# Allegro board 6089-103-RevB_76.brd (continued)
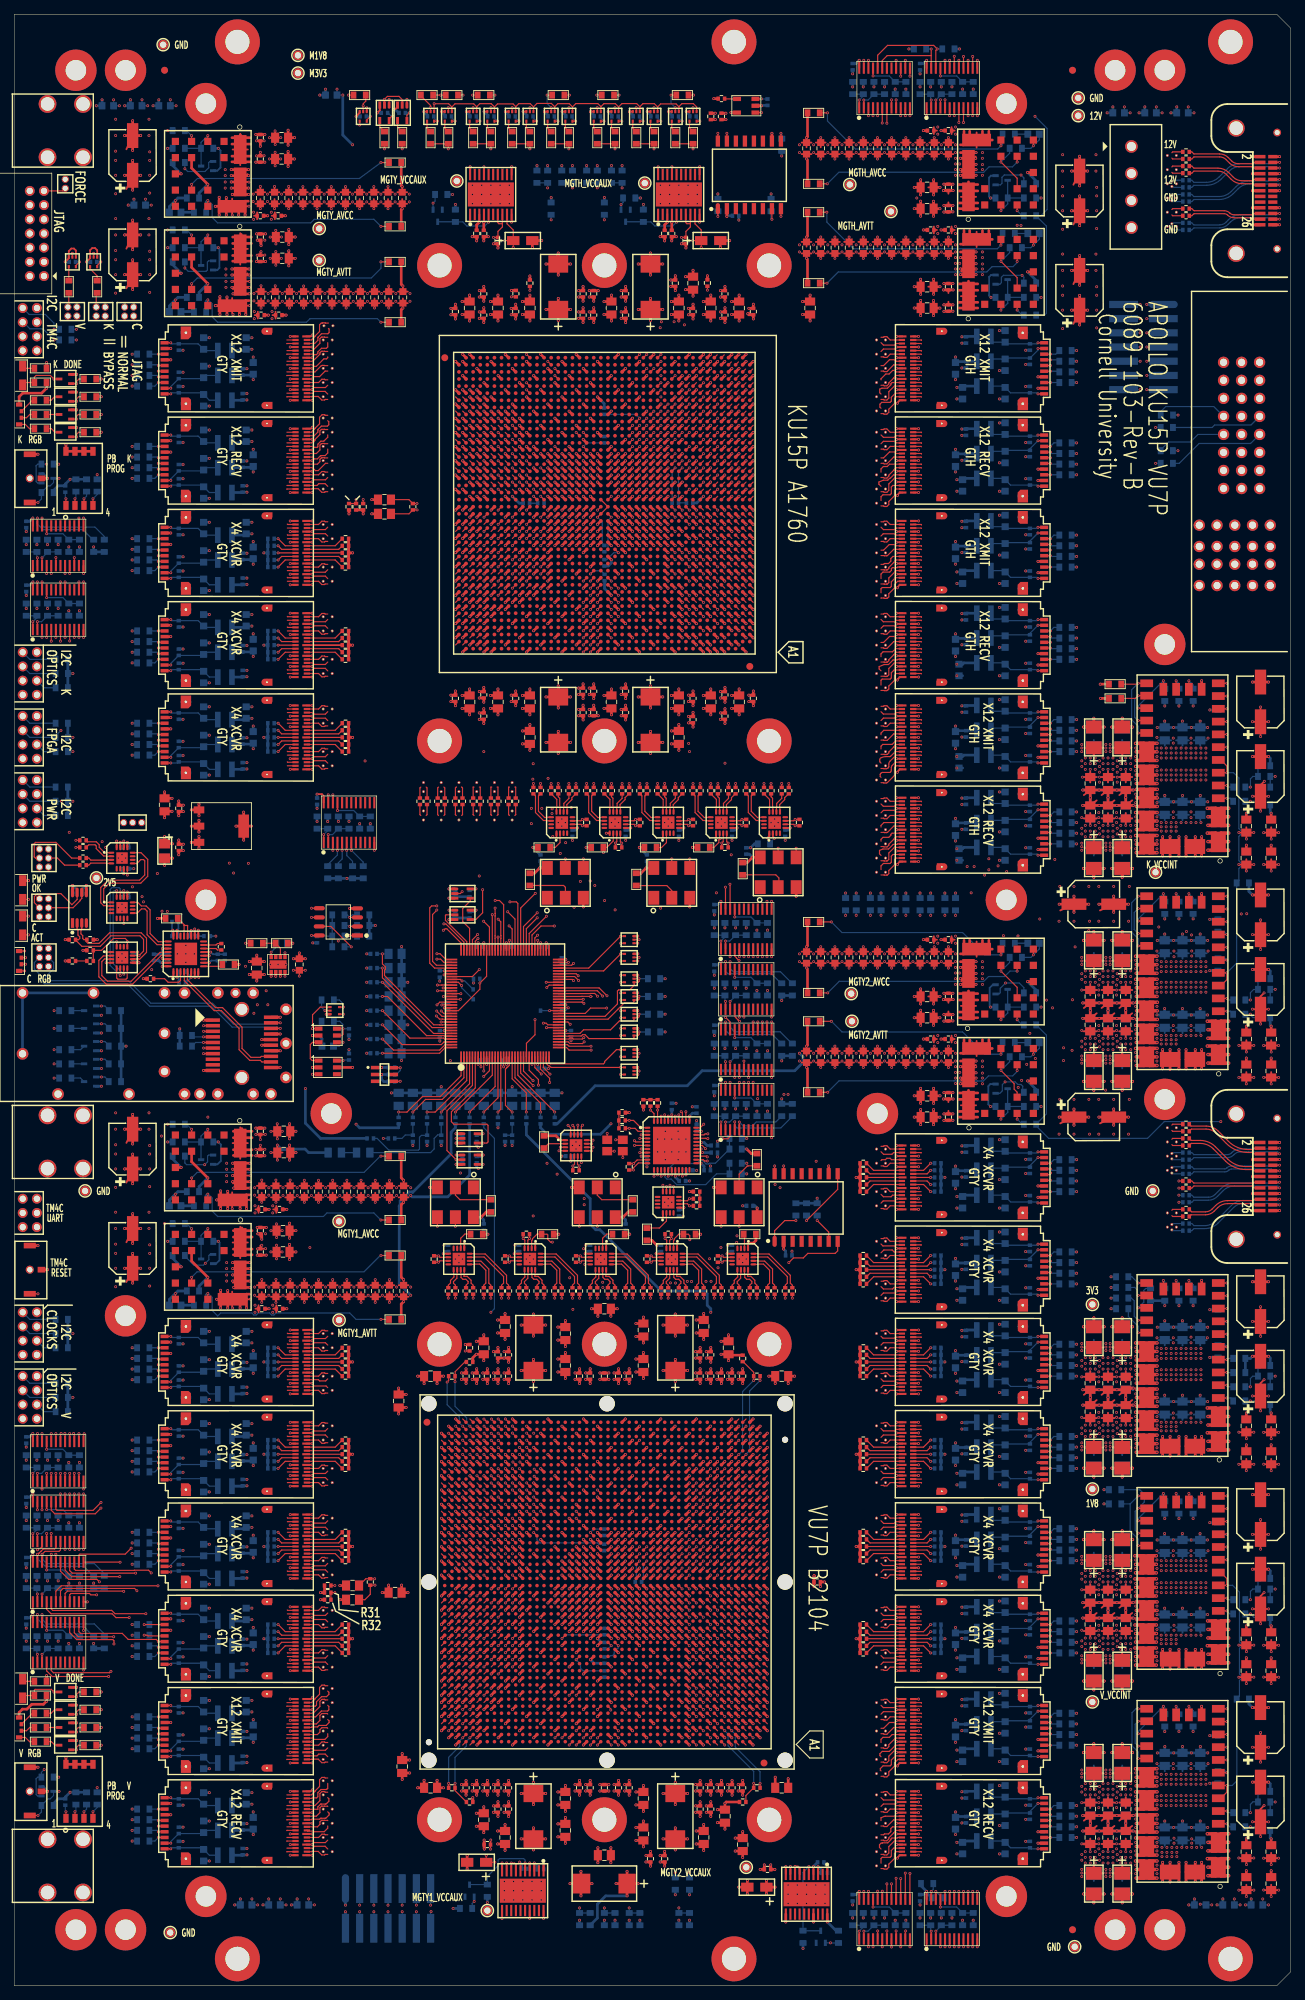
[diagram p0: board, top side]
## Routing (per net, layer and track width the routed paths; a pad name or vN(x,y) marks a point on that pad's centre or on a via; arc(x,y) is an arc through that point) (continued)
  TOP w0.381: U65.AR2 v1(103.17,222.87) ; U65.F37 v1(67.23,192.93) ; U66.BA39 v1(67.24,74.87) ; C373.2 v1(130.67,147.4) ; U65.Y11 v1(94.17,206.93) ; 37.52,142.85 v1(37.52,142.25) ; U66.W35 v1(71.23,51.94) ; v1(34.06,260.85) C16.2 v1(35.34,260.85) ; 134.5,141.1 134.5,141.9 ; 134.5,141.1 v1(133.4,141.1) ; 134.5,141.1 v1(135.6,141.1) ; 134.5,141.9 v1(135.6,141.9) ; 134.5,141.9 v1(133.4,141.9) ; 134.5,141.9 134.5,142.64 ; U76.3 v1(87.91,129.4) ; U65.G25 v1(79.23,193.93) ; U115.2 v1(144.33,46.1) ; U66.BD32 v1(74.23,77.86) ; U66.AG11 v1(96.16,60.87) ; U66.C5 v1(102.16,35.94) ; P3.1 v1(178.38,118.83) ; v1(135.6,242.64) 135,242.64 ; 152.2,156.16 v1(152.2,156.2) C394.2 ; U65.T22 v1(82.23,202.93) ; U66.U38 v1(68.23,49.93) ; U21.2 v1(22.07,217.7) ; C414.2 v1(155.45,21.81) C434.2 ; C414.2 v1(152.96,21.81) C392.2 ; C414.2 v1(154.2,22.91) C413.2 ; U66.AA2 v1(105.15,53.95) ; 157.66,72.94 v1(157.65,72.94) C420.2 ; U65.C5 v1(100.17,189.93) ; U65.N38 v1(66.23,199.93) ; U65.U1 v1(104.17,203.93) ; U66.N12 v1(95.17,45.95) ; v1(157.75,84.22) 157.44,84.22 157.22,83.99 C429.2 ; U65.D38 v1(66.23,190.93) ; U65.AY34 v1(70.23,227.87) ; U125.24 161.09,52.88 v1(161.1,52.88) ; U66.AH30 v1(76.23,61.86) ; U66.AR11 v1(96.16,68.87) ; U65.AJ26 v1(78.23,216.87) ; R178.1 R177.1 R176.1 ; R178.1 v1(118.69,74.9) ; R178.1 R179.1 R180.1 ; U65.D36 v1(68.23,190.93) ; v1(35.34,256.95) C17.2 v1(34.06,256.95) ; U65.A41 v1(63.23,187.93) ; C36.2 v1(38.23,249.4) ; U65.M11 v1(94.17,198.93) ; 134.5,256.64 U118.2 134.53,257.12 134.15,257.5 v1(133.4,257.5) ; 134.5,256.64 134.5,258.3 ; 134.5,256.64 134.5,255.9 ; U65.F40 v1(64.23,192.93) ; U66.L2 v1(105.15,43.94) ; C426.2 v1(156.7,167.41) C425.2 ; C426.2 v1(157.75,166.31) ; C426.2 v1(155.45,166.31) C406.2 ; C399.2 v1(153.65,92.86) 153.68,92.86 ; C399.2 v1(152.2,94.1) 152.2,94.12 ; C399.2 v1(150.75,92.86) 150.73,92.86 ; U65.U41 v1(63.23,203.93) ; U66.M46 v1(60.23,44.93) ; C397.2 v1(153.65,127.44) 153.67,127.44 ; C397.2 v1(152.2,126.2) 152.2,126.16 ; C397.2 v1(150.75,127.44) 150.75,127.44 ; U65.W41 v1(63.23,205.93) ; v1(84.56,27.45) C203.2 v1(85.2,26.87) ; U65.F32 v1(72.23,192.93) ; U66.AU2 v1(105.15,70.85) ; U65.M7 v1(98.17,198.93) ; U65.AP16 v1(89.17,221.87) ; R38.1 R39.1 R40.1 ; U66.V5 v1(102.16,50.92) ; v1(96.06,86.35) C254.2 v1(96.7,86.93) ; U45.3 v1(61.3,153.24) ; SW3.1 v1(3.35,30.8) ; C454.2 v1(173.7,76.22) ; C403.2 v1(150.75,32.86) 150.72,32.86 ; C403.2 v1(153.65,32.86) 153.67,32.86 ; C403.2 v1(152.2,34.1) 152.2,34.12 ; v1(84.2,179.08) C199.2 v1(83.15,179.99) ; 154.72,62.86 v1(154.75,62.86) C421.2 ; C272.2 v1(100.33,262.95) ; v1(174.57,153.7) C461.2 v1(176.83,153.7) ; U66.AE21 v1(86.15,58.86) ; U65.BB7 v1(98.17,229.87) ; U65.M38 v1(66.23,198.93) ; U65.W21 v1(84.17,205.93) ; C411.2 v1(152.94,53.99) C389.2 ; C411.2 v1(155.45,53.99) C431.2 ; C411.2 v1(154.2,52.91) C412.2 ; U66.D3 v1(104.16,36.93) ; U65.AR9 v1(96.17,222.87) ; U65.AF29 v1(75.23,213.87) ; U66.BA3 v1(104.16,74.87) ; U66.AE25 v1(81.24,58.86) ; R43.1 R44.1 R45.1 ; v1(35.53,102.95) C25.2 v1(34.27,102.95) ; 32.1,115.05 v1(33.25,115.05) ; 32.1,115.05 32.1,114.16 ; 32.1,115.05 32.1,115.9 ; 32.1,115.05 v1(30.8,115.05) ; 38.81,117.4 C47.2 v1(39.72,117.4) ; 38.81,117.4 v1(38.81,118.45) ; 38.81,117.4 v1(38.81,116.35) ; U65.BA42 v1(62.23,228.87) ; U66.AH20 v1(87.17,61.86) ; U65.AN23 v1(81.23,220.87) ; U65.C42 v1(62.23,189.93) ; U66.G12 v1(95.17,39.93) ; C393.2 v1(152.2,178.6) ; C393.2 v1(153.65,177.36) ; C393.2 v1(150.75,177.36) 150.74,177.36 ; v1(69.06,86.35) C143.2 v1(69.7,86.93) ; U66.J37 v1(69.25,41.93) ; U65.AL2 v1(103.17,218.87) ; R141.1 v1(97.73,240.93) ; U66.G1 v1(106.17,39.93) ; v1(22.25,167.31) C10.2 v1(21.2,168.22) ; U66.BA38 v1(68.23,74.87) ; v1(84.11,17.35) C195.2 v1(84.11,19.45) ; v1(82.56,27.45) C194.2 v1(83.83,27.45) ; U66.J2 v1(105.15,41.93) ; 32.1,112.4 v1(30.95,112.4) ; 32.1,112.4 32.1,113.3 ; 32.1,112.4 v1(33.25,112.4) ; C387.2 v1(150.65,83.99) ; C387.2 v1(152.94,83.99) C409.2 ; C387.2 v1(151.7,82.89) C388.2 ; U66.T3 v1(104.16,48.94) ; U66.M42 v1(64.24,44.93) ; C15.2 v1(35.25,144.31) ; C15.2 v1(34.2,145.22) ; C15.2 v1(33.15,144.31) ; v1(87.65,93.31) C218.2 v1(88.7,94.22) ; R163.1 R164.1 R165.1 ; R163.1 v1(118.69,113.9) ; R163.1 R162.1 R161.1 ; U65.U42 v1(62.23,203.93) ; v1(68.2,89.93) C133.2 v1(67.56,89.35) ; U66.BB8 v1(99.16,75.86) ; C349.2 v1(127.79,254.45) ; C349.2 v1(126.88,253.4) ; C349.2 v1(127.79,252.35) ; C156.2 v1(74.93,93.1) ; C156.2 v1(73.2,91.55) ; C156.2 73.2,94.61 73.19,94.61 v1(73.19,94.65) ; C156.2 v1(71.47,93.1) ; C420.2 v1(156.2,71.7) 156.2,71.66 ; C420.2 v1(154.75,72.94) 154.72,72.94 ; U66.AT46 v1(60.23,69.86) ; U66.E29 v1(77.22,37.94) ; U66.T24 v1(82.23,48.94) ; 153.68,72.94 v1(153.65,72.94) C400.2 ; v1(33.22,115.9) 32.1,115.9 ; 32.1,115.9 v1(30.8,115.9) ; 154.75,42.94 v1(154.75,42.94) C422.2 ; U65.Y4 v1(101.17,206.93) ; U65.BB3 v1(102.17,229.87) ; C476.2 v1(177.2,46.22) ; v1(33.22,101.9) 32.1,101.9 ; 32.1,101.9 v1(30.8,101.9) ; 32.1,101.9 32.1,101.05 ; U66.H46 v1(60.23,40.94) ; v1(95.7,180.37) C247.2 v1(95.06,180.95) ; U66.AG42 v1(64.24,60.87) ; U66.AY41 v1(65.23,73.87) ; U88.3 v1(98.58,112.5) ; v1(135.6,142.64) 135,142.64 ; v1(35.34,120.85) C22.2 v1(34.06,120.85) ; U65.AN9 v1(96.17,220.87) ; C425.2 v1(155.45,168.49) C405.2 ; C425.2 v1(157.75,168.49) ; v1(100.7,91.72) C282.2 v1(99.65,90.81) ; U66.AF36 v1(70.24,59.85) ; U65.AK39 v1(65.23,217.87) ; R188.1 R187.1 R186.1 ; R188.1 R189.1 R190.1 ; R188.1 v1(118.69,48.9) ; U65.BB4 v1(101.17,229.87) ; U66.A41 v1(65.23,33.93) ; U66.M37 v1(69.25,44.93) ; C307.2 v1(109.11,29.17) ; U66.F8 v1(99.16,38.93) ; U66.J10 v1(97.15,41.93) ; U65.AT12 v1(93.17,223.87) ; C164.2 v1(74.97,175.2) ; C164.2 v1(78.43,175.2) ; C164.2 v1(76.7,173.65) ; C164.2 v1(76.7,176.75) ; U65.K11 v1(94.17,196.93) ; U66.AC17 v1(90.17,55.93) ; v1(131.06,235.93) 131.68,235.93 C372.2 v1(132.34,235.95) ; U65.R42 v1(62.23,201.93) ; C429.2 v1(156.7,82.92) C430.2 ; C429.2 v1(155.45,83.99) C409.2 ; v1(93.33,246.45) C233.2 v1(92.7,245.87) ; U65.V29 v1(75.23,204.93) ; U65.AH11 v1(94.17,215.87) ; U66.AR44 v1(62.24,68.87) ; v1(86.06,86.35) C212.2 v1(86.7,86.93) ; U19.4 v1(32.35,161.43) ; U19.4 v1(31.27,163.4) ; U19.4 v1(33.43,163.4) ; U19.4 v1(32.35,165.37) ; C352.2 v1(127.79,237.45) ; C352.2 v1(127.79,235.35) ; C352.2 v1(126.88,236.4) ; U65.AR24 v1(80.23,222.87) ; U65.U2 v1(103.17,203.93) ; v1(90.59,104.35) 89.91,105.04 R126.2 ; C356.2 v1(126.88,122.4) ; C356.2 v1(127.79,123.45) ; C356.2 v1(127.79,121.35) ; U66.AT16 v1(91.16,69.86) ; U66.AB45 v1(61.25,54.94) ; 156.2,126.17 v1(156.2,126.2) C418.2 ; U65.AK14 v1(91.17,217.87) ; v1(68.2,238.22) C130.2 v1(67.15,237.31) ; U65.AR41 v1(63.23,222.87) ; U65.W27 v1(77.23,205.93) ; U66.AT3 v1(104.16,69.86) ; C395.2 v1(155,153.53) ; C395.2 v1(152.92,152.4) ; C395.2 v1(155,151.27) ; C395.2 v1(157.08,152.4) ; U66.BD22 v1(85.16,77.86) ; U66.AD35 v1(71.23,57.87) ; 32,240.16 32,241.05 ; 32,240.16 32,239.3 ; 32,240.16 U16.2 v1(30.7,240.16) ; 32,241.05 v1(30.7,241.05) ; 32,241.05 32,241.9 ; 32,241.05 v1(33.15,241.05) ; U65.T26 v1(78.23,202.93) ; U66.Y45 v1(61.25,52.93) ; v1(82.33,238.85) C185.2 v1(81.06,238.85) ; U65.AK7 v1(98.17,217.87) ; U66.BC25 v1(81.24,76.87) ; 164.2,130.53 v1(164.2,129.2) ; 164.2,130.53 v1(164.2,131.9) ; 164.2,130.53 U123.27 ; U65.K7 v1(98.17,196.93) ; U65.B4 v1(101.17,188.93) ; C410.2 v1(152.96,81.81) C388.2 ; C410.2 v1(154.2,82.91) C409.2 ; C410.2 v1(155.45,81.81) C430.2 ; SW4.5 SW4.7 7.29,216.21 v1(7.29,217.15) ; v1(65.56,238.85) C117.2 v1(66.2,239.43) ; U66.U27 v1(79.23,49.93) ; v1(133.4,241.1) 134.5,241.1 ; 134.5,241.1 134.5,241.9 ; 134.5,241.1 v1(135.6,241.1) ; U66.AC44 v1(62.24,55.93) ; U65.AE2 v1(103.17,212.87) ; U66.AD9 v1(98.17,57.87) ; 78.7,65.41 v1(78.24,65.87) ; U65.AU2 v1(103.17,224.87) ; U66.V30 v1(76.23,50.92) ; 32.1,114.16 32.1,113.3 ; 32.1,114.16 U17.2 v1(30.8,114.16) ; U65.M40 v1(64.23,198.93) ; v1(96.06,89.35) C253.2 v1(96.7,89.93) ; U66.W2 v1(105.15,51.94) ; v1(30.6,253.3) 31.9,253.3 ; 31.9,253.3 v1(33.05,253.3) ; 31.9,253.3 31.9,254.16 ; 31.9,253.3 31.9,252.4 ; U26.2 v1(22.07,77.7) ; U66.BB2 v1(105.15,75.86) ; U65.R24 v1(80.23,201.93) ; U65.T14 v1(91.17,202.93) ; U66.G23 v1(84.17,39.93) ; C355.2 v1(127.79,126.45) ; C355.2 v1(127.79,124.35) ; C355.2 v1(126.88,125.4) ; U65.N5 v1(100.17,199.93) ; 32.1,100.16 32.1,101.05 ; 32.1,100.16 U18.2 v1(30.8,100.16) ; 32.1,100.16 32.1,99.3 ; 32.1,101.05 v1(30.8,101.05) ; 32.1,101.05 v1(33.25,101.05) ; U65.V4 v1(101.17,204.93) ; U65.AH20 v1(85.17,215.87) ; v1(89.7,16.87) C226.2 v1(89.06,17.45) ; U65.F38 v1(66.23,192.93) ; U65.G35 v1(69.23,193.93) ; U66.B5 v1(102.16,34.95) ; v1(102.06,86.35) C290.2 v1(102.7,86.93) ; U65.AM15 v1(90.17,219.87) ; U66.BE41 v1(65.23,78.85) ; v1(79.06,86.35) C175.2 v1(79.7,86.93) ; R22.1 v1(12.27,38.9) ; U66.K40 v1(66.23,42.95) ; v1(64.56,86.35) C112.2 v1(65.2,86.93) ; C389.2 v1(150.65,53.99) ; C389.2 v1(151.7,52.9) C390.2 ; U66.L39 v1(67.24,43.94) ; U65.AA40 v1(64.23,207.93) ; U65.L5 v1(100.17,197.93) ; v1(135.6,256.64) 135,256.64 ; 65.7,65.41 v1(65.23,65.87) ; U66.AV3 v1(104.16,71.87) ; U65.BB35 v1(69.23,229.87) ; U66.G45 v1(61.25,39.93) ; v1(54.9,113.5) 54.56,113.84 R77.2 ; U65.E11 v1(94.17,191.93) ; U66.AE43 v1(63.23,58.86) ; U65.AE9 v1(96.17,212.87) ; 134.5,255.1 v1(133.4,255.1) ; 134.5,255.1 v1(135.6,255.1) ; 134.5,255.1 134.5,255.9 ; v1(98.2,238.22) C262.2 v1(97.15,237.31) ; v1(81.7,181.37) C187.2 v1(81.06,181.95) ; U66.N10 v1(97.15,45.95) ; U66.K8 v1(99.16,42.95) ; 156.2,34.11 v1(156.2,34.1) C423.2 ; U66.V45 v1(61.25,50.92) ; R16.1 v1(12.27,221.4) ; U66.AW1 v1(106.17,72.86) ; C384.2 v1(151.7,167.4) C383.2 ; C384.2 v1(150.65,166.31) ; C384.2 v1(152.96,166.31) C406.2 ; C385.2 v1(150.65,138.49) ; C385.2 v1(151.7,137.4) C386.2 ; C385.2 v1(152.94,138.49) C407.2 ; U66.AV4 v1(103.17,71.87) ; U65.AK24 v1(80.23,217.87) ; C419.2 v1(154.75,92.86) 154.72,92.86 ; C419.2 v1(156.2,94.1) 156.2,94.12 ; C419.2 v1(157.65,92.86) 157.66,92.86 ; R118.1 v1(86.77,105.9) ; v1(62.2,236.93) C99.2 v1(61.56,236.35) ; U65.Y40 v1(64.23,206.93) ; C157.2 v1(71.47,20.7) ; C157.2 v1(74.93,20.7) ; C157.2 v1(73.2,19.15) ; C157.2 v1(73.2,22.25) ; U65.V35 v1(69.23,204.93) ; U65.AR14 v1(91.17,222.87) ; C260.2 v1(98.83,262.95) ; U65.K14 v1(91.17,196.93) ; U65.E42 v1(62.23,191.93) ; U65.AK35 v1(69.23,217.87) ; U66.AG35 v1(71.23,60.87) ; 156.2,64.14 v1(156.2,64.1) C421.2 ; U65.AA13 v1(92.17,207.93) ; U65.U25 v1(79.23,203.93) ; v1(133.4,127.1) 134.5,127.1 ; 134.5,127.1 134.5,127.9 ; 134.5,127.1 v1(135.6,127.1) ; U65.U29 v1(75.23,203.93) ; U66.AA6 v1(101.17,53.95) ; U66.AR5 v1(102.16,68.87) ; v1(91.7,16.87) C231.2 v1(91.06,17.45) ; U66.D44 v1(62.24,36.93) ; U113.4 v1(144.33,73.7) ; U66.AT9 v1(98.17,69.86) ; U114.4 v1(144.33,60.7) ; v1(176.83,99.2) C463.2 v1(174.57,99.2) ; U66.AT4 v1(103.17,69.86) ; v1(95.06,236.35) C246.2 v1(95.7,236.93) ; U66.AK16 v1(91.16,63.87) ; U66.AB4 v1(103.17,54.94) ; U65.AG42 v1(62.23,214.87) ; v1(86.7,26.87) C213.2 v1(86.06,27.45) ; C236.2 93.2,94.61 93.19,94.61 v1(93.19,94.65) ; C236.2 v1(93.2,91.55) ; C236.2 v1(94.93,93.1) ; C236.2 v1(91.47,93.1) ; P2.25 v1(178.38,248.12) ; U65.W42 v1(62.23,205.93) ; v1(66.2,21.58) C123.2 v1(65.15,22.49) ; U66.R35 v1(71.23,47.93) ; U66.D4 v1(103.17,36.93) ; v1(79.56,181.95) C179.2 v1(80.2,181.37) ; U122.13 v1(167.4,183.88) ; v1(69.06,27.45) C144.2 v1(69.7,26.87) ; v1(76.65,20.99) C170.2 v1(77.7,20.08) ; U66.AL35 v1(71.23,64.86) ; U65.AH14 v1(91.17,215.87) ; v1(97.2,94.72) C258.2 v1(96.15,93.81) ; v1(97.56,24.45) C268.2 v1(98.2,23.87) ; 161.9,130.53 v1(161.9,129.2) ; 161.9,130.53 v1(161.9,131.9) ; 161.9,130.53 U123.27 ; U66.U6 v1(101.17,49.93) ; U65.AG25 v1(79.23,214.87) ; U28.2 v1(22.07,51.7) ; U65.H38 v1(66.23,194.93) ; U66.BD12 v1(95.17,77.86) ; 150.75,72.94 v1(150.75,72.94) C400.2 ; v1(54.7,29.08) C86.2 v1(55.75,29.99) ; U66.T16 v1(91.16,48.94) ; U66.Y4 v1(103.17,52.93) ; U65.AE41 v1(63.23,212.87) ; C216.2 v1(88.7,123.4) ; U19.2 v1(26.05,164.23) ; U19.2 v1(26.05,162.57) ; U19.2 v1(24.97,163.4) ; v1(101.15,237.31) C287.2 v1(102.2,238.22) ; v1(87.65,20.49) C221.2 v1(88.7,19.58) ; U65.AH29 v1(75.23,215.87) ; U66.L21 v1(86.15,43.94) ; U66.M45 v1(61.25,44.93) ; U65.W5 v1(100.17,205.93) ; U65.AF14 v1(91.17,213.87) ; U65.P7 v1(98.17,200.93) ; U66.AW43 v1(63.23,72.86) ; C224.2 v1(89.7,176.75) ; C224.2 v1(89.7,173.65) ; C224.2 v1(87.97,175.2) ; C224.2 v1(91.43,175.2) ; U65.AC1 v1(104.17,210.87) ; v1(104.2,236.93) C295.2 v1(103.56,236.35) ; C458.2 v1(173.7,16.22) ; v1(72.7,174.08) C154.2 v1(71.65,174.99) ; v1(63.85,16.43) C114.2 v1(63.85,18.37) ; U66.M18 v1(89.18,44.93) ; U66.U44 v1(62.24,49.93) ; v1(54.9,99.5) 54.56,99.84 R79.2 ; v1(100.2,177.87) C279.2 v1(99.56,178.45) ; v1(73.05,244.93) C150.2 v1(74.36,245.9) ; v1(66.2,180.87) C119.2 v1(65.56,181.45) ; U65.AP39 v1(65.23,221.87) ; U65.AA27 v1(77.23,207.93) ; U66.L5 v1(102.16,43.94) ; U66.AU1 v1(106.17,70.85) ; U66.AB5 v1(102.16,54.94) ; v1(70.7,236.93) C146.2 v1(70.06,236.35) ; U65.AY9 v1(96.17,227.87) ; U65.R33 v1(71.23,201.93) ; U66.AW44 v1(62.24,72.86) ; U66.AR39 v1(67.24,68.87) ; U66.AF28 v1(78.24,59.85) ; U65.AN41 v1(63.23,220.87) ; U65.AF39 v1(65.23,213.87) ; v1(95.7,241.72) C245.2 v1(94.65,240.81) ; U115.4 v1(144.33,47.7) ; U66.AB14 v1(93.16,54.94) ; U65.W37 v1(67.23,205.93) ; C415.2 v1(156.2,178.6) 156.2,178.62 ; C415.2 v1(157.65,177.36) ; C415.2 v1(154.75,177.36) 154.71,177.36 ; U65.U19 v1(86.17,203.93) ; v1(135.55,243.5) 134.45,243.5 ; 150.74,157.44 v1(150.75,157.44) C394.2 ; U65.AM25 v1(79.23,219.87) ; U65.L9 v1(96.17,197.93) ; v1(30.6,254.16) U15.2 31.9,254.16 ; U66.AT37 v1(69.25,69.86) ; R183.1 R184.1 R185.1 ; R183.1 R182.1 R181.1 ; R183.1 v1(118.69,61.9) ; C163.2 v1(78.43,242.6) ; C163.2 v1(76.7,241.05) ; C163.2 76.7,244.1 76.69,244.11 v1(76.69,244.15) ; C163.2 v1(74.97,242.6) ; U65.AF24 v1(80.23,213.87) ; U125.13 v1(167.4,69.38) ; U66.AJ43 v1(63.23,62.88) ; U66.A6 v1(101.17,33.93) ; U66.AA38 v1(68.23,53.95) ; U65.R9 v1(96.17,201.93) ; C9.2 v1(18.2,141.9) ; 134.5,244.3 134.5,242.64 ; 134.5,244.3 v1(135.6,244.3) ; 134.5,244.3 133.4,244.3 ; 134.5,242.64 134.5,241.9 ; 134.5,242.64 U119.2 134.53,243.12 134.15,243.5 v1(133.4,243.5) ; 134.5,241.9 v1(133.4,241.9) ; 134.5,241.9 v1(135.6,241.9) ; U66.AB37 v1(69.25,54.94) ; C412.2 v1(155.45,51.81) C432.2 ; C412.2 v1(152.96,51.81) C390.2 ; U65.AE23 v1(81.23,212.87) ; U47.3 v1(62.3,118.74) ; U66.Y5 v1(102.16,52.93) ; C223.2 89.7,244.1 89.69,244.11 v1(89.69,244.15) ; C223.2 v1(91.43,242.6) ; C223.2 v1(87.97,242.6) ; C223.2 v1(89.7,241.05) ; U66.BA6 v1(101.17,74.87) ; U65.AC37 v1(67.23,210.87) ; U18.15 v1(23.54,101.3) ; U66.AD24 v1(82.23,57.87) ; U66.AY9 v1(98.17,73.87) ; v1(86.2,236.43) C207.2 v1(85.56,235.85) ; U66.Y16 v1(91.16,52.93) ; 157.68,127.44 v1(157.65,127.44) C418.2 ; U66.BB41 v1(65.23,75.86) ; U65.AU15 v1(90.17,224.87) ; U65.E1 v1(104.17,191.93) ; R93.1 v1(66.77,105.9) ; U66.V22 v1(85.16,50.92) ; U65.Y35 v1(69.23,206.93) ; U65.AJ37 v1(67.23,216.87) ; U66.BC3 v1(104.16,76.87) ; U66.AV37 v1(69.25,71.87) ; U65.T39 v1(65.23,202.93) ; v1(43.19,55.4) R31.1 R30.1 ; 31.9,255.05 31.9,254.16 ; 31.9,255.05 v1(30.6,255.05) ; 31.9,255.05 v1(33.05,255.05) ; 31.9,255.05 31.9,255.9 ; U65.Y20 v1(85.17,206.93) ; U66.R42 v1(64.24,47.93) ; v1(65.2,26.87) C113.2 v1(64.56,27.45) ; U66.AU43 v1(63.23,70.85) ; U65.Y16 v1(89.17,206.93) ; U65.C11 v1(94.17,189.93) ; U66.G46 v1(60.23,39.93) ; U65.AL37 v1(67.23,218.87) ; U66.AC19 v1(88.16,55.93) ; 134.5,128.64 U121.2 134.53,129.12 134.15,129.5 v1(133.4,129.5) ; 134.5,128.64 134.5,127.9 ; 134.5,128.64 134.5,130.3 ; U65.R29 v1(75.23,201.93) ; U65.AY3 v1(102.17,227.87) ; U65.AC33 v1(71.23,210.87) ; C477.2 v1(177.2,20.72) ; C424.2 v1(156.2,11.7) 156.2,11.68 ; C424.2 v1(154.75,12.94) 154.73,12.94 ; C424.2 v1(157.65,12.94) 157.66,12.94 ; U65.M29 v1(75.23,198.93) ; U65.AV18 v1(87.17,225.87) ; v1(97.2,19.08) C259.2 v1(96.15,19.99) ; U66.L31 v1(75.24,43.94) ; v1(97.15,179.99) C263.2 v1(98.2,179.08) ; U66.B18 v1(89.18,34.95) ; U65.BA5 v1(100.17,228.87) ; U65.AW5 v1(100.17,226.87) ; U65.BB25 v1(79.23,229.87) ; 157.71,62.86 v1(157.65,62.86) C421.2 ; U66.AL44 v1(62.24,64.86) ; U66.Y24 v1(82.23,52.93) ; U65.M25 v1(79.23,198.93) ; U66.P3 v1(104.16,46.94) ; U65.AC2 v1(103.17,210.87) ; U13.1 v1(26.69,136.06) ; C400.2 v1(152.2,71.7) 152.2,71.67 ; v1(174.57,39.2) C467.2 v1(176.83,39.2) ; P3.19 v1(178.38,111.62) ; U65.AF20 v1(85.17,213.87) ; C402.2 v1(153.65,42.94) 153.67,42.94 ; C402.2 v1(152.2,41.7) 152.2,41.67 ; C402.2 v1(150.75,42.94) 150.73,42.94 ; U66.AL42 v1(64.24,64.86) ; U109.2 v1(144.33,160.1) ; U66.B38 v1(68.23,34.95) ; C359.2 v1(128.17,147.4) ; v1(112.2,238.22) C315.2 v1(111.15,237.31) ; U66.AE38 v1(68.23,58.86) ; R89.1 v1(63.59,90.35) ; R106.2 v1(76.77,105.9) ; U65.C38 v1(66.23,189.93) ; U66.L12 v1(95.17,43.94) ; v1(33.25,113.3) 32.1,113.3 ; 32.1,113.3 v1(30.8,113.3) ; U66.W23 v1(84.17,51.94) ; U65.P31 v1(73.23,200.93) ; U66.V14 v1(93.16,50.92) ; U66.AA29 v1(77.22,53.95) ; U65.AC42 v1(62.23,210.87) ; U65.V16 v1(89.17,204.93) ; U65.D26 v1(78.23,190.93) ; U66.G7 v1(100.17,39.93) ; P3.20 v1(174.58,111.62) ; C433.2 v1(157.75,23.99) ; C433.2 v1(156.7,22.91) C434.2 ; C433.2 v1(155.45,23.99) C413.2 ; U66.C11 v1(96.16,35.94) ; U65.BA1 v1(104.17,228.87) ; v1(94.7,244.87) C243.2 v1(94.06,245.45) ; U24.2 v1(22.07,178.7) ; U66.E46 v1(60.23,37.94) ; U65.AG2 v1(103.17,214.87) ; v1(133.4,127.9) 134.5,127.9 ; 134.5,127.9 v1(135.6,127.9) ; C398.2 v1(155,123.53) ; C398.2 v1(157.08,122.4) ; C398.2 v1(152.92,122.4) ; C398.2 v1(155,121.27) ; U65.L37 v1(67.23,197.93) ; U66.AR7 v1(100.17,68.87) ; U121.15 v1(142.86,127.5) ; U66.F41 v1(65.23,38.93) ; U97.3 v1(110.24,153.52) ; U66.AW39 v1(67.24,72.86) ; U66.AG44 v1(62.24,60.87) ; U65.AA19 v1(86.17,207.93) ; U125.27 161.9,46.02 ; U125.27 164.2,46.02 ; U125.27 v1(162.95,47.41) ; U125.27 v1(162.95,44.64) ; 161.9,46.02 v1(161.9,47.4) ; 161.9,46.02 v1(161.9,44.7) ; U65.AT39 v1(65.23,223.87) ; U66.F5 v1(102.16,38.93) ; U65.AT38 v1(66.23,223.87) ; 152.2,11.68 v1(152.2,11.7) C404.2 ; U65.T35 v1(69.23,202.93) ; U66.AP46 v1(60.23,67.86) ; U65.Y24 v1(80.23,206.93) ; U66.AD28 v1(78.24,57.87) ; v1(174.57,183.7) C459.2 v1(176.83,183.7) ; U65.AD35 v1(69.23,211.87) ; U65.AC29 v1(75.23,210.87) ; U66.AW2 v1(105.15,72.86) ; U66.AV42 v1(64.24,71.87) ; U66.Y22 v1(85.16,52.93) ; U65.W9 v1(96.17,205.93) ; U65.H40 v1(64.23,194.93) ; v1(100.2,22.08) C280.2 v1(99.15,22.99) ; U65.AJ14 v1(91.17,216.87) ; U66.L11 v1(96.16,43.94) ; U65.AJ13 v1(92.17,216.87) ; U66.AU5 v1(102.16,70.85) ; v1(65.56,178.45) C120.2 v1(66.2,177.87) ; U66.AW6 v1(101.17,72.86) ; U66.N35 v1(71.23,45.95) ; v1(174.57,69.2) C465.2 v1(176.83,69.2) ; U66.AC35 v1(71.23,55.93) ; U66.AK22 v1(85.16,63.87) ; U65.K29 v1(75.23,196.93) ; C422.2 v1(157.65,42.94) 157.68,42.94 ; C422.2 v1(156.2,41.7) 156.2,41.67 ; C431.2 v1(156.7,52.91) C432.2 ; C431.2 v1(157.75,53.99) ; U66.BF44 v1(62.24,79.87) ; U65.AJ32 v1(72.23,216.87) ; U66.AE5 v1(102.16,58.86) ; U66.AW27 v1(79.23,72.86) ; U65.N41 v1(63.23,199.93) ; v1(105.17,16.4) C302.2 v1(105.75,17.04) ; U66.AN6 v1(101.17,66.86) ; U66.W29 v1(77.22,51.94) ; U65.BA7 v1(98.17,228.87) ; U65.AD7 v1(98.17,211.87) ; C382.2 v1(150.2,239.62) ; C382.2 v1(150.2,243.78) ; C382.2 v1(149.07,241.7) ; C382.2 v1(151.33,241.7) ; U66.AK5 v1(102.16,63.87) ; U65.AN33 v1(71.23,220.87) ; v1(133.4,255.9) 134.5,255.9 ; 134.5,255.9 v1(135.6,255.9) ; v1(33.12,241.9) 32,241.9 ; 32,241.9 v1(30.7,241.9) ; U66.BB1 v1(106.17,75.86) ; v1(100.2,236.43) C277.2 v1(99.56,235.85) ; U66.AE44 v1(62.24,58.86) ; 164.2,46.02 v1(164.2,44.7) ; 164.2,46.02 v1(164.2,47.4) ; U65.AL13 v1(92.17,218.87) ; U66.BE5 v1(102.16,78.85) ; v1(91.7,245.87) C229.2 v1(91.06,246.45) ; U66.AY46 v1(60.23,73.87) ; U65.AG27 v1(77.23,214.87) ; v1(92.65,179.99) C239.2 v1(93.7,179.08) ; U66.R43 v1(63.23,47.93) ; U12.9 v1(17.6,144.15) ; U65.BA41 v1(63.23,228.87) ; C8.2 v1(16.7,108.78) ; C8.2 v1(16.7,104.62) ; C8.2 v1(15.57,106.7) ; C8.2 v1(17.83,106.7) ; U66.E2 v1(105.15,37.94) ; U65.Y29 v1(75.23,206.93) ; U74.3 v1(87.91,134.9) ; v1(86.2,239.43) C206.2 v1(85.56,238.85) ; U65.D16 v1(89.17,190.93) ; R62.1 R61.1 R60.1 ; U65.AL38 v1(66.23,218.87) ; C5.2 v1(15.57,260.7) ; C5.2 v1(16.7,258.62) ; C5.2 v1(16.7,262.78) ; C5.2 v1(17.83,260.7) 